# KiCad board Rogelio Pineda part 6-AMLDC-2044B.kicad_pcb (continued)
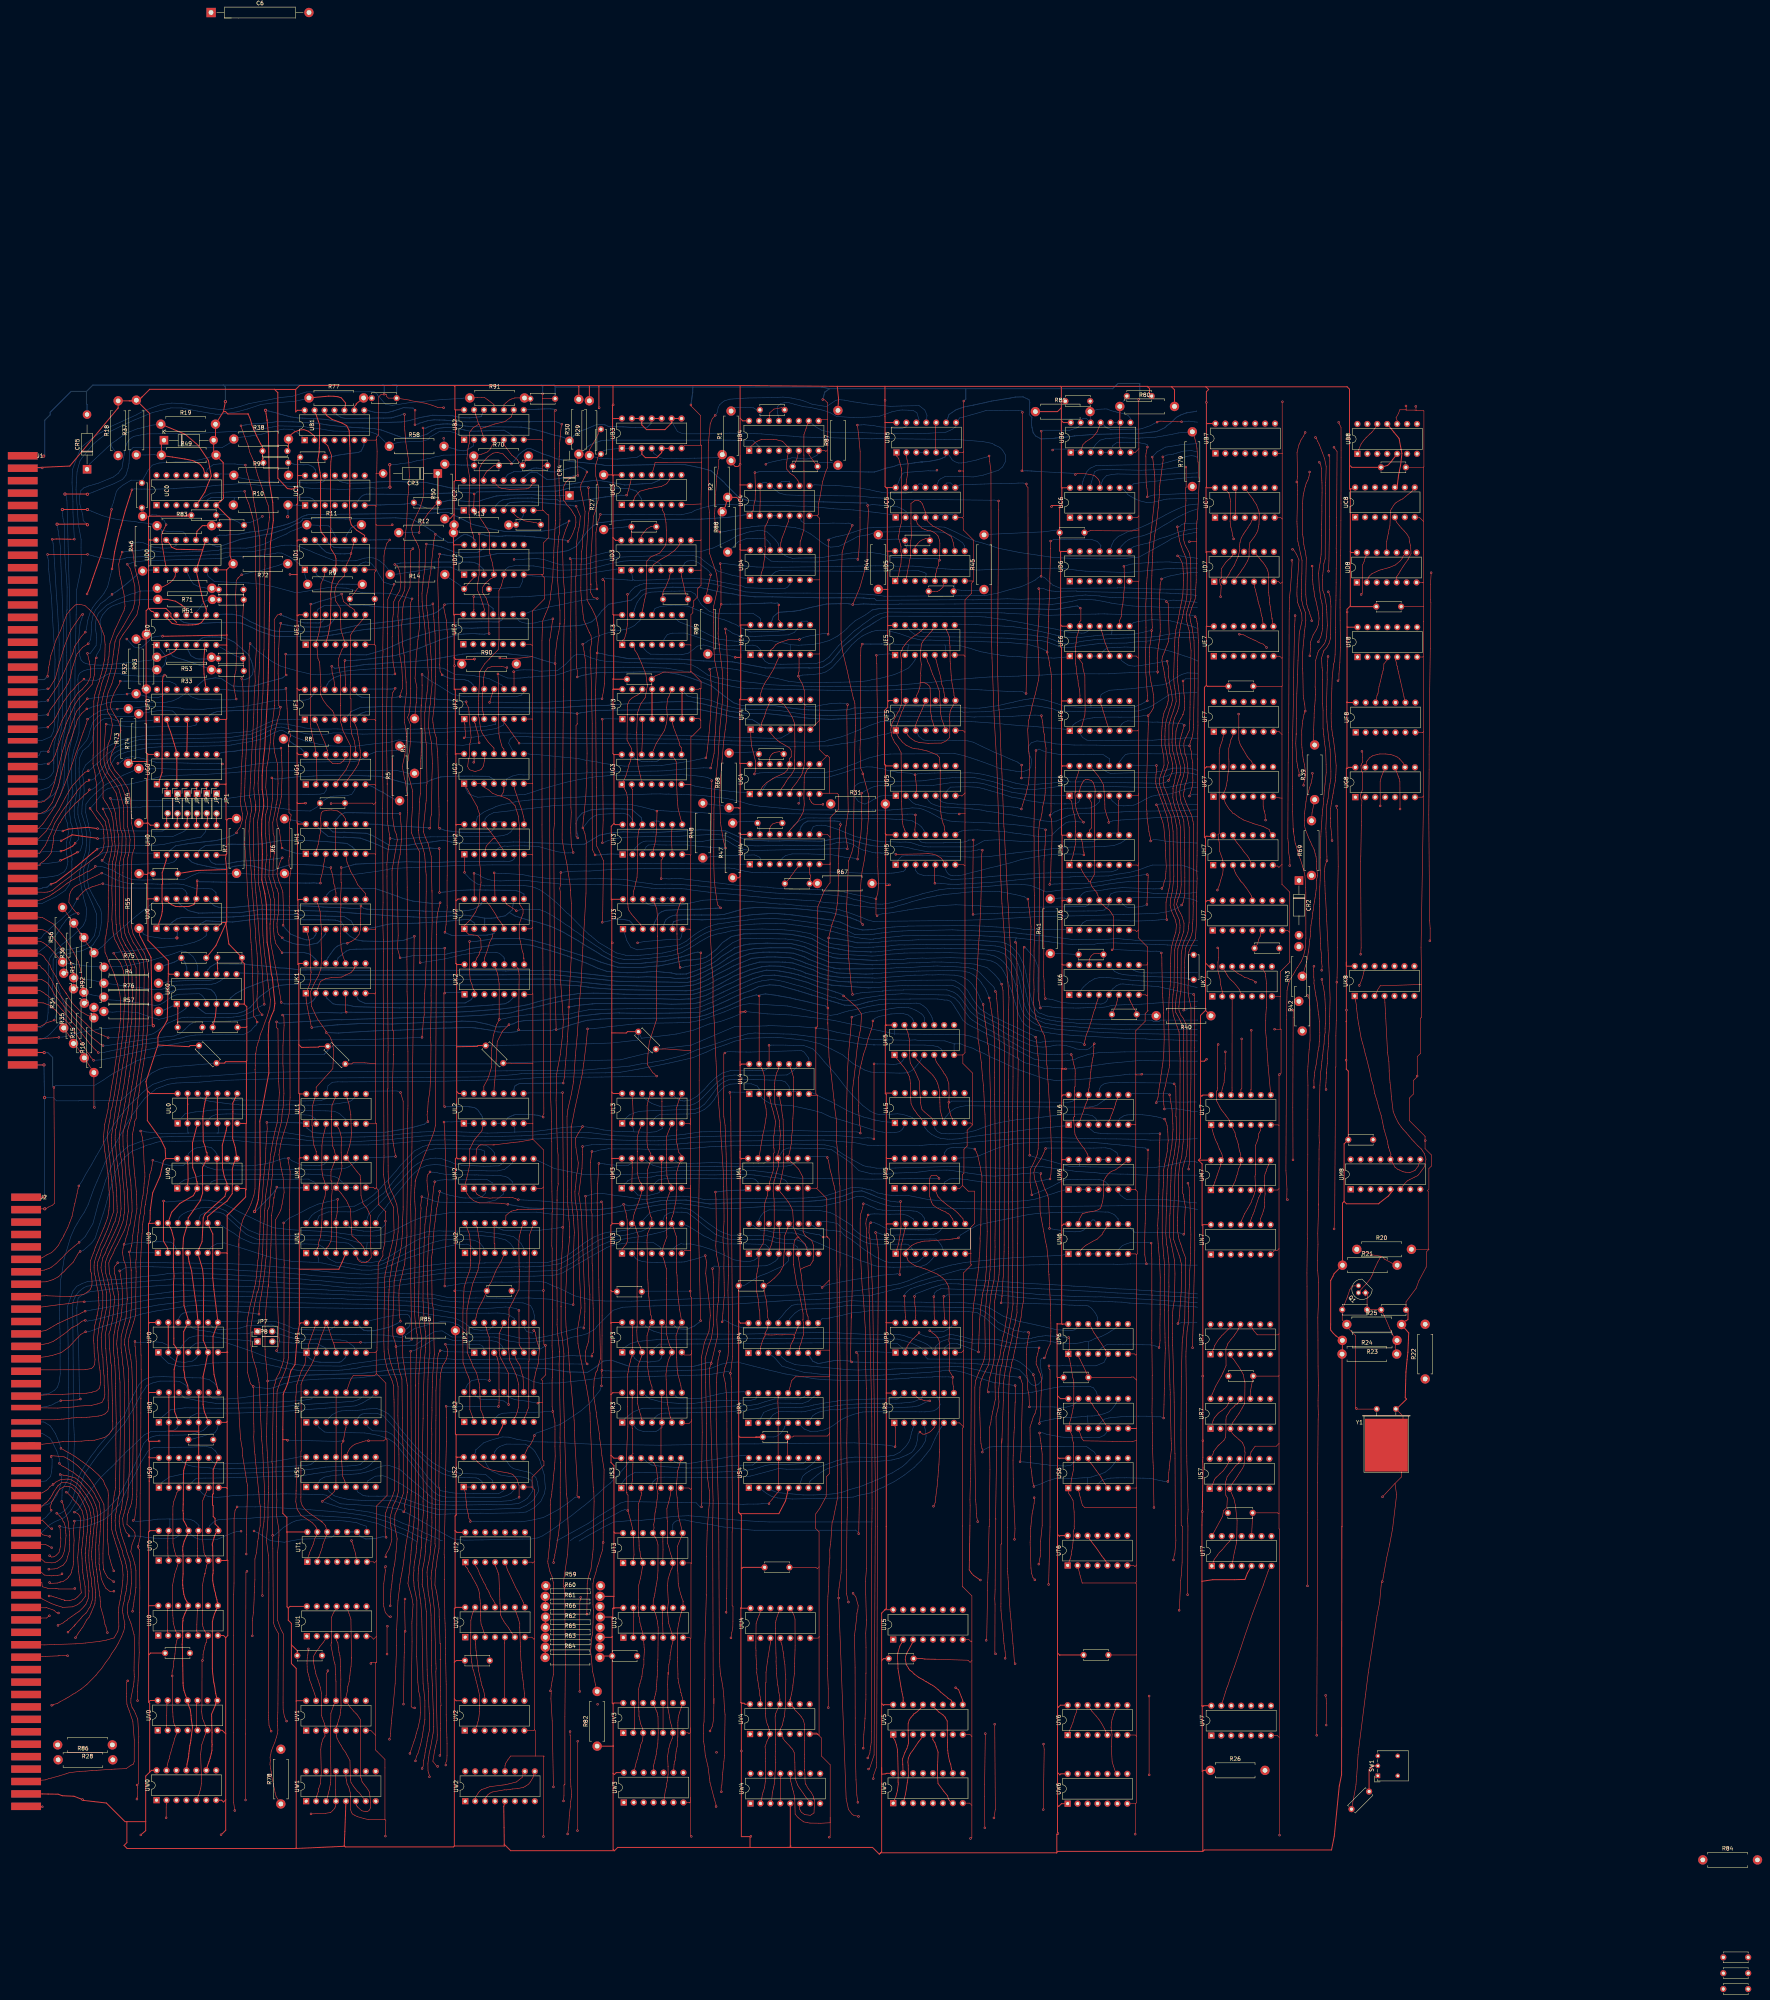
[diagram p0: board, top side]
## Routing (per net, layer and track width the routed paths; a pad name or vN(x,y) marks a point on that pad's centre or on a via; arc(x,y) is an arc through that point) (continued)
  Bottom w0.2: v1(215.36,374.74) 214.55,374.2 213.84,373.92 211.42,372.56 208.24,372.11 208.22,372.13 199.1,372.03 195.37,372.71 190.65,373.85 186.98,375.74 185.48,376.38 184.45,376.93 178.48,376.64 173.67,376.64 148.82,376.36 148.29,376.24 147.2,375.88 145.33,374.68 143.61,374 142.47,373.66 140.82,373.23 136.28,372.15 133.78,371.9 130.97,371.33 128.59,371.21 127.73,371.08 127.28,371.08 125.98,371.12 125.27,370.83 UD0.8 ; v1(213.84,231.17) 202.67,231.06 201.78,230.62 201.48,230.39 201.36,230.01 201.25,229.54 UL2.9 ; UP4.7 276.91,161.2 277.6,160.15 279,159.51 281.39,159.99 283.4,160.34 285.97,160.26 287.53,160.12 v1(287.53,159.94) 288.76,159.9 291.65,159.8 292.51,159.82 294.49,159.76 ; v1(215.28,250.56) 216.04,250.73 216.82,250.87 217.55,251.02 221.28,251.39 222.42,251.47 235.69,251.47 237.57,251.46 241.52,251.3 247.24,251.44 248.94,251.81 252.06,253.15 254.79,254.44 257.21,255.59 259.18,256.48 262.26,257.76 264.84,258.6 267.82,258.73 271.37,258.22 276.29,256.87 278.76,255.85 281.32,255.1 283.45,254.4 284.54,254.06 285.47,253.63 v1(285.47,253.41)
D0p9: length 210.3
  Top w0.15: v1(179.71,296.25) 179.86,296.41 179.86,298.47 180.19,299.83 180.3,308.5 180.21,308.59 180.28,308.66 180.44,312.69 180.31,315.2 180.16,318.07 179.42,322.05 179.64,326.85 179.89,327.96 180.02,329.77 180.34,332.87 180.17,336.44 180.21,336.91 180.14,339.12 179.89,342.64 179.52,347.3 179.12,351.34 178.97,352.65 178.97,355.65 179.1,356.57 179.32,357.64 179.59,359.72 179.79,360.71 180.07,362.37 180.12,363.21 180.59,367.63 180.69,368.99 180.88,370.15 v1(181.19,371.34)
  Top w0.25: UD0.13 113.23,369.01 113.83,368 114.98,367.5 121.73,367.35 ; 121.73,367.35 UD0.9 ; 121.73,367.35 121.28,365.95 120.53,363.6 120.39,362.63 UD0.5 121.88,354.15 122.43,352.9 122.58,352.35 122.64,352.29 122.64,350.67 122.03,349.6 121.43,348.8 120.68,348.4 119.93,348.25 119.18,348.2 118.03,348.15 115.88,348.2 113.93,348.55 112.48,350 112.48,350.67
  Bottom w0.2: UD0.9 123.11,369.18 123.83,368.73 124.33,368.54 125.49,368.14 126.22,368.28 129.13,369.26 131.42,370.06 136.57,371.06 139.14,371.45 142.82,372.7 144.39,373.39 145.53,374.02 145.94,374.17 146.52,374.31 147.14,374.9 147.34,375.31 151.28,375.44 151.84,375.43 156.65,375.3 157.61,375.31 158.29,375.25 170.97,375.53 173.42,375.35 174.7,375.33 176.31,374.62 178.27,373.52 179.26,372.93 179.89,372.46 180.71,371.99 v1(181.19,371.34) 182.35,370.54 184.33,369.3 185.55,369.26 186.35,369.81 187.78,370.91 188.63,371.33 189.45,371.16 190.35,370.74 191.4,369.87 UD2.13 ; v1(179.71,296.25) 178.93,296.4 175.02,296.63 174.08,296.71 173.44,296.71 171.63,296.66 169.12,296.96 167.31,297.15 166.34,297.27 164.16,297.31 163.61,297.61 UH1.8
D0p10: length 12.3
  Top w0.25: R83.2 122.19,373.52 122.14,373.57 121.63,373.5 120.28,372.1 UD0.10
  Bottom w0.2: 123.83,373.8 125.68,373.8 125.73,373.85 124.37,373.85 R83.2 125.82,373.52 C20.2
D0p12: length 357.5
  Top w0.15: v1(104.93,48.29) 104.93,48.64 105.09,48.83 105.08,51.09 105.15,51.17 v1(104.97,51.89) 105.28,52.21 105.28,62.74 105.41,64.28 105.14,68.73 104.57,70.1 104.19,70.95 103.9,71.43 103.67,71.77 103.38,72.87 103.4,73.99 104,77.05 104.18,78.23 104.25,79.53 104.23,80.08 104.19,81.16 104.31,89.18 104.2,90.29 103.4,93.24 103.05,94.07 102.74,94.88 102.45,96.06 102.59,98.03 102.65,98.44 102.97,99.36 103.28,100.92 103.53,103.44 103.45,106.3 103.43,107.03 103.27,108.04 103.18,108.95 102.88,109.87 102.42,111.19 102.26,111.79 102.07,112.58 101.7,113.6 100.94,115.88 100.82,116.4 100.67,117.14 100.42,118.75 100.39,119.28 100.45,120.5 100.93,122.22 101.05,122.81 101.22,124.39 101.45,125.89 101.56,127.77 101.83,152.09 101.5,158.32 101.34,159.19 101.03,162.43 ; 102.46,176.05 102.15,171.34 101.71,169.48 100.9,166.44 100.87,163.49 101.05,162.28 ; v1(103.69,368.83) 103.77,367.77 104.34,363.39 104.49,362.44 104.97,360.6 105.36,359.01 105.72,356.75 105.63,353.82 104.92,350.75 103.82,349.22 103.21,348.29 102.66,347.48 101.42,345.8 101.3,345.6 100.6,344.44 100.27,341.69 99.9,339.46 99.61,337 99.37,336.16 98.54,333.19 97.58,330.96 97.1,328.49 97.44,326 98.32,324.52 98.65,322.57 98.16,319.06 97.57,317.7 97.4,316.41 97.28,315.6 97.28,313.52 97.85,311.63 99.28,309.43 99.89,308.76 100.91,307.29 101.87,304.87 102.46,301.71 102.5,300.51 102.56,296.65 103.19,293.36 102.94,290.18 102.73,289.28 ; 102.46,175.79 102.33,179.7 102.11,184.48 101.58,185.89 101.24,187.8 101.38,188.91 v1(101.64,189.97) 101.78,190.11 102.07,191.42 102.41,192.4 102.96,194.8 103.18,195.16 103.65,198.12 103.7,198.48 103.66,200.65 103.65,201.17 103.45,203.87 103.42,204.89 103.33,206.4 103.26,206.58 102.94,208.99 102.87,209.99 102.7,212.43 102.69,212.99 102.49,215.27 102.42,216.37 102.44,217.78 102.5,218.84 103.06,220.95 103.53,222.26 103.92,226.23 104,226.74 104.69,230.16 104.86,231.09 105.11,232.83 105.83,236.92 106.22,240 106.37,241.23 106.55,244.74 106.62,245.94 106.79,258.93 106.83,259.43 106.57,262.42 104.85,265.86 103.98,267.09 102.8,269.74 102.61,271.01 102.53,271.87 102.51,287.09 102.49,287.19 102.6,288.68 102.76,289.43
  Bottom w0.15: UD0.12 114.94,368.43 113.75,367.86 112.48,367.79 110.97,367.82 109.03,368.07 107.67,368.7 106.68,369.12 105.85,369.28 105.2,369.32 104.37,369.23 104.01,368.83 v1(103.69,368.83) ; UN0.3 114.75,189.34 114.32,190.07 113.65,190.53 112.66,190.57 111.01,190.65 110.03,190.62 108.06,190.54 104.37,190.44 103.44,190.2 102.66,190.07 v1(101.64,189.97)
D1p2: length 18.6
  Top w0.15: R9.2 162.36,358.53 161.19,357.36 160.58,356.5 C43.1
  Bottom w0.2: UD1.2 150.81,360.98 152.67,359.66 154.64,358.93 156.11,358.6 157.42,358.59 R9.2
D1p3: length 40.1
  Top w0.15: UF1.4 155.23,325.67 154.9,326.23 154.84,326.33 154.44,326.69 153.52,327.61 152.53,328.96 151.78,330.54 151.84,332.35 151.94,332.45 151.61,338.66 151.18,339.55 150.89,342.84 UE1.2 151.38,345.84 151.91,348.6 151.88,353.01 151.84,356 151.94,358.66 152.92,360.99 UD1.3
D1p10: length 6.3
  Bottom w0.2: R11.2 160.59,373.48 159.6,372.92 159.22,372.27 158.51,371.2 UD1.10
D1p13: length 76.8
  Top w0.15: 155.71,307.73 158.32,311.12 159.34,313.24 159.57,317.21 158.35,319.59 157.96,320.42 157.58,321.16 157.19,322.7 156.92,323.48 156.92,327.58 156.91,327.58 156.92,328 156.92,334.83 157,334.91 156.49,337.76 156.49,339.68 157.29,341.8 UE1.5 157.55,345.33 157.06,346.86 156.87,352.47 155.69,354.33 155.46,356.35 155.72,357.89 156.55,359.33 158,360.78 UD1.5 158.6,363.82 159.41,365.49 v1(159.62,366.42) UD1.9
  Bottom w0.2: v1(159.62,366.42) 158.68,366.37 158.07,366.33 156.9,366.33 154.79,366.4 154.39,366.43 153.37,366.7 152.88,367.12 152.14,367.77 151.4,368.63 UD1.13
D2p2: length 10.8
  Top w0.15: C44.1 190.07,359.3 191.07,360.3 UD2.2
  Bottom w0.15: C44.1 187.15,358.54 186.6,358.91 185.66,359.55 184.9,360.01 R14.2
D2p5: length 92.6
  Top w0.15: 195.03,339.57 193.79,338.25 192.53,336.28 192.22,328.8 192.19,328.06 192.19,324.93 192.35,324.49 192.74,321.57 193.16,320.47 194.69,318.26 196.15,316.71 UG2.11 ; 195.03,339.57 197.23,341.85 197.44,344.43 197.44,350.13 197.39,350.76 197.41,356.92 198.18,358.43 ; 195.03,339.57 195,339.43 ; 198.07,358.4 198.52,359.98 UD2.5
  Bottom w0.15: UD3.5 238.84,363.55 238.47,363.91 237.01,364.54 235.33,364.61 232.26,364.59 231.25,364.61 229.11,364.46 225.44,363.71 221.3,362.66 218.54,362.39 217.92,362.31 215.39,362.2 212.58,362.15 206.29,363.24 202.57,363.32 201.33,363.29 199.8,362.96 199.02,362.28 UD2.5
D2p12: length 608.2
  Top w0.15: 256.65,89.45 v1(256.7,89.47) 256.91,90.8 257.17,92.01 257.21,93.67 257.22,97.51 257,97.72 257,116.5 257.12,117.61 256.84,150.55 256.85,153.57 256.74,155.74 v1(256.6,157.02) 257.13,161.43 256.67,221.62 256.59,227.41 v1(256.41,228.79) ; v1(179.27,221.32) 179.06,223.06 179.2,223.91 ; v1(134.4,90) 134.5,93.81 134.49,94.43 134.72,96.07 134.87,99.37 134.91,100.98 134.97,102.63 135.07,104.36 135.07,109.63 135.49,111.26 135.75,113.97 135.92,114.91 136.09,116.33 136.42,118.08 136.45,123.1 136.21,124.39 136.07,126.62 136.03,126.97 135.41,132.89 135.17,135.06 135.1,136.34 134.96,136.99 134.77,140.78 134.84,142.16 134.79,144.19 v1(134.65,153.67) 133.94,154.38 133.71,155.29 133.17,157.37 133.04,169.32 133.17,170.89 133.91,174.66 134.26,175.83 135.21,179.98 135.43,181.5 135.83,185.85 136.01,187.02 136.28,191.92 136.36,193.27 136.41,195.42 136.45,196.99 136.63,199.85 136.88,201.01 137.32,206.97 137.43,208.16 137.65,210.31 137.78,211.17 137.87,214.54 137.98,216.29 138.16,218.82 138.23,219.44 v1(138.13,221.13) ; v1(178.86,368.84) 178.72,367.51 178.53,363.27 178.47,362.39 178.09,359.91 177.98,358.44 177.76,356.15 177.8,354.05 178.07,351.01 178.4,348.57 178.43,348.23 178.62,346.04 178.78,343.23 179.02,340.64 179.37,336.01 179.33,334.91 179.25,332.55 179.04,330.81 178.72,328.08 178.55,325.98 178.47,325.91 178.47,321.88 178.49,321.31 178.7,318.83 178.88,317.59 179.04,307.73 178.94,307.16 178.84,303.28 178.74,302.47 178.21,297.15 178.08,295.44 178.57,294.04 179.35,292.27 180.12,289.08 180.3,280.12 ; 180.32,280.44 180.32,279.85 180.36,272.6 180.26,267.94 180.08,253.63 180.11,251.94 179.94,242.84 180.06,240.95 179.98,232.86 179.77,229.16 179.35,226.45 179.18,223.83
  Bottom w0.15: v1(256.41,228.79) 257.05,228.87 257.52,228.85 260.94,228.85 261.03,228.94 261.37,228.6 UL4.1 ; 255.58,157.48 254.61,157.32 253.24,157.1 251.9,156.83 249.3,156.61 247.87,156.58 237.28,156.28 234.82,156.21 224.18,155.97 220.46,155.44 212.79,154.58 211.96,154.58 210.3,154.55 208.14,154.46 206.12,154.96 203.7,156.11 201.38,156.92 199.07,157.08 195.45,157.21 188.34,157.31 182.44,157.26 179.6,157.22 175.05,156.95 173.39,156.89 172.18,156.78 165.18,156.36 162.05,155.91 156.74,155.7 151.37,155.55 146.65,155.23 145.55,155.02 142.46,154.36 140.08,153.44 138.7,153.14 135.38,153.47 v1(134.65,153.67) ; 255.49,157.48 256.05,157.53 v1(256.6,157.02)
  Bottom w0.2: v1(179.27,221.32) 178.37,220.66 175.24,219.82 172.41,219.29 168.45,218.62 154.09,218.38 151.89,218.36 149.78,218.56 148.39,219.67 UL1.1 146.97,221 146.23,221.02 140.13,221.15 139.1,221.13 v1(138.13,221.13) ; UD2.12 193.5,367.62 192.96,367.26 192.28,366.85 191.71,366.67 190.76,366.69 189.5,366.63 188.24,366.69 186.29,366.7 182.78,368.08 181.6,368.38 180.1,368.76 179.39,368.76 v1(178.86,368.84)
D3p6: length 7.9
  Top w0.15: UD3.6 240.89,359.97 239.96,357.62 239.61,357.2 239.14,355.88 C27.1
D3p7: length 24.5
  Top w0.15: v1(251.51,361) 251.39,360.34 251.24,359.66 250.47,356.06 R89.2 ; C27.2 245.01,356.41 244.68,358.09 244.31,359.6 244.12,360.44 UD3.7
  Bottom w0.15: v1(251.51,361) 251.33,361.64 ; 251.33,361.64 251.33,361.58 ; 251.33,361.64 250.87,362.1 250.36,362.54 250.03,362.72 249.53,363.17 248.43,364.02 247.74,364.43 247.19,364.57 246.69,364.62 245.58,364.49 244.96,364.05 244.56,363.36 UD3.7
D3p10: length 11.2
  Top w0.15: UD3.10 243.42,368.47 242.38,367.26 240.63,365.98 238.65,364.84 236.88,363.58 UD3.4
D3p14: length 6.1
  Top w0.15: C25.2 236.28,373.34 235.12,372.65 ; UD3.14 233.76,370.94 235.2,372.7
D3p15: length 10.6
  Top w0.15: UD3.15 231.22,370.77 231.27,371.15 C25.1
  Bottom w0.15: R27.1 226.84,372.92 228.79,373.1 230.04,373.25 C25.1
D4p1: length 62.5
  Bottom w0.15: v1(201.29,364.91) 203.49,364.91 203.76,364.95 204.03,364.99 207.05,365.14 208.92,364.89 211.07,364.16 213.41,363.5 219.37,363.55 222.27,364.43 226,365.1 227.69,365.48 237.62,365.84 239.06,365.81 245.37,365.85 246.95,365.92 248.79,365.42 249.91,364.47 251.48,363.28 253.5,361.89 257.09,360.84 258.33,360.63 259.3,360.31 259.7,360.18 261.23,360.06 UD4.1
D4p3: length 43.3
  Bottom w0.15: 292.32,361.92 290.07,361.85 269.03,362.03 268.01,361.7 267.01,360.85 UD4.3 ; 292.32,361.92 304.65,362.02 306.03,361.58 306.54,361.33 306.57,361.02 306.28,359.4 ; 292.32,361.92 292.38,361.93
D4p12: length 14.3
  Bottom w0.15: UD4.12 266.71,368.91 266.11,369.64 265.51,370.15 264.2,370.28 263.38,370.3 262.29,370.3 260.57,370.22 258.71,369.52 257.82,368.82 257.49,368.36 R88.1
D4p13: length 74.4
  Top w0.15: v1(289.01,399.23) 289.31,396.84 289.72,392.4 289.68,375.54 289.68,372.13 289.39,366.88 v1(289.12,364.9)
  Bottom w0.15: UB5.13 301.54,398.86 300.89,398.55 300.45,398.4 299.89,398.32 298.41,398.41 296.17,398.65 294.61,398.78 293.12,399.1 292.44,399.14 290.7,399.31 289.96,399.26 289.28,399.23 v1(289.01,399.23) ; UD4.13 264.85,366.59 265.2,366.15 265.6,365.48 266.95,364.49 268.59,364.32 272.41,364.3 278.75,364.25 286.78,365.07 287.54,365.08 288.47,365.13 288.48,365.1 288.82,365.07 289,364.9 v1(289.12,364.9)
D5p6: length 5.8
  Top w0.15: UD5.6 311,359.05 310.88,357.85 310.05,357.07 310.05,357.04 309.54,356.78 309.35,356.76 308.66,356.76 308.65,356.75 C24.2
D5p7: length 10.5
  Bottom w0.15: UD5.7 313.9,357.07 C24.1 314.52,357.17 315.68,357.01 316.61,357.03 317.52,356.95 321.18,356.95
D5p14: length 5.8
  Top w0.15: C40.1 306.53,370.26 305.4,369.82 304.85,369.43 304.42,368.95 304.04,368.5 303.74,368.19 UD5.14
D5p15: length 10.5
  Bottom w0.15: 293.73,370.32 295.27,369.99 299.12,370.1 C40.2 301.8,368.76 UD5.15
D6p8: length 18.7
  Bottom w0.15: UD6.8 359.1,367.82 359.63,368.18 360.64,368.46 361.83,368.77 363.31,369.1 364.6,369.5 366.23,370.22 368.01,370.72 370.11,371.5 371.51,372.05 373.09,372.38 373.88,372.57 375.66,372.79 375.92,372.8
D6p9: length 23.3
  Bottom w0.15: 372.11,376.32 372.09,376.3 ; 372.09,376.3 371.06,375.8 370.22,375.36 369.13,374.68 368.06,374.01 367.39,373.66 365.25,372.34 363.61,371.55 361.99,370.95 359.65,370.46 358.45,370.02 357.48,369.35 356.64,368.5 355.98,367.74 UD6.9 ; 372.09,376.3 372.77,376.61 373.8,377.1 374.67,377.41 375.34,377.6 375.74,377.72
D6p10: length 26.6
  Bottom w0.15: 360.57,372.76 360.53,372.72 ; 375.92,379.03 375.13,378.99 374.64,378.89 373.64,378.82 372.44,378.46 370.67,377.73 368.95,376.91 367.84,376.34 366.13,375.41 364.75,374.68 363.45,374 361.46,373.12 360.39,372.72 358.1,371.99 356.58,371.19 355.68,370.79 354.55,369.71 354.02,368.62 UD6.10
D7p5: length 11.7
  Top w0.15: UD7.5 390.51,357.8 390.67,357.2 390.96,356.02 391.3,354.77 391.38,354.2 391.69,353.09 391.9,352.46 392.02,351.9 392.27,350.53 392.45,350.03 392.53,349.66 392.61,348.91 UE7.9
D7p10: length 20.7
  Top w0.15: UE7.8 395.04,349.05 394.93,349.97 ; UD7.10 390.34,366.56 391.03,366.04 391.81,365.15 392.09,364.75 392.35,364.46 392.75,364 393.26,363.24 393.65,362.56 393.86,361.99 394.11,361.07 394.09,356.49 394.15,355.7 394.28,354.98 394.31,353.97 394.41,353.3 394.5,352.82 394.64,351.84 394.8,350.77 394.97,349.68
D7p12: length 13.1
  Top w0.15: UD7.12 384.9,366.49 384.76,365.82 384.21,365.14 383.86,364.91 383.56,364.6 383.13,364.17 382.08,362.62 381.94,361.6 381.98,360.17 381.51,359.86 381.73,358.41 381.95,358.25 381.93,357.61 v1(381.81,355.39) 381.93,355.34
D8p9: length 13.4
  Top w0.15: UD8.2 419.5,360.13 419.76,360.63 420.46,361.25 422.24,362.1 423.13,362.37 424.84,362.82 426.45,363.49 427.77,364.6 428.23,365.25 428.45,365.77 UD8.9
DATA RDR: length 332
  Top w0.15: v1(85.45,150.05) 89.7,150.25 v1(90.48,150.47) ; v1(216.39,174.59) 216.46,174.65 216.46,183.97 216.47,187.09 216.63,192.2 216.7,192.88 216.49,196.05 216.52,196.55 216.2,198.66 216.01,201.17 215.89,203.21 216.06,208.55 215.94,211.79 215.88,220.16 ; v1(220.07,245.02) 219.79,242 219.7,241.12 219.09,236.21 218.7,233.4 217.46,227.58 216.75,224.32 215.88,219.79
  Bottom w0.15: 89.58,173.68 89.55,173.7 89.92,176.28 90.83,176.97 90.83,176.98 92.95,177.87 98.12,178.55 103.82,178.91 109.96,179.38 114.29,179.63 134.94,179.2 136.67,179.22 137.53,179.14 144.3,178.74 146.21,178.64 153.28,178.35 153.87,178.29 158.91,178.06 160.09,178.02 160.81,177.92 170.98,177.6 172.81,177.38 180.13,177.28 184.14,176.45 189.95,176.24 191.45,176.28 196.83,176.26 199.04,176.2 204.97,176.29 210.55,175.96 212.42,175.51 213.51,175.15 214.85,174.85 216.02,174.59 v1(216.39,174.59) ; 89.58,173.68 89.6,170.7 90.01,165.27 90.26,151.18 90.38,150.94 v1(90.48,150.47) ; 89.58,173.68 89.58,173.74 ; v1(220.07,245.02) 221.75,245.12 223.78,245.32 225.66,245.62 227.34,245.75 230.47,246.11 232.66,246.32 234.66,246.36 235.88,246.45 242.95,246.56 244.49,246.68 246.14,246.68 248.22,247.06 249.74,247.45 252.61,248.52 255,249.35 257.8,250.55 259.66,251.17 261.37,251.45 263.6,251.33 264.77,251.24 271.1,250.86 275.08,250.03 276.88,249.62 278.38,249.21 279.65,248.92 282.11,248.46 283.84,248.71 285.49,249.27 286.78,249.61 288.62,249.96 291.36,250.63 293.14,250.98 294.32,251.17 296.86,251.44 297.9,251.43 300.96,251.51 302.58,251.54 304.14,251.57 305.09,251.38 305.77,250.96 306.68,250.24 307.39,249.15 307.84,248.4 308.1,247.81 UK5.10 ; v1(85.45,150.05) 84.73,149.73 84,149.43 83.32,149.01 82.59,148.76 81.79,148.57 80.51,148.38 J2.36
DATIA: length 58.1
  Top w0.15: v1(82.18,325.25) 82.77,326.53 84.05,328.24 84.62,329.18 85.71,330.64 87.31,333.2 87.94,334.8 88.35,336.88 88.67,337.9 89.5,340.42 89.65,340.79 90.17,341.37 91.03,342.45 v1(92.5,343.39)
  Bottom w0.15: v1(82.18,325.25) J1.44 ; 97.8,355.32 96.9,354.51 96.56,354.27 95.6,353.59 95.16,352.96 94.91,352.62 94.37,352.05 93.74,350.68 93.36,348.76 93.32,346.97 93.11,344.47 v1(92.5,343.39)
  Bottom w0.2: 108.04,362.18 UD0.1 ; 108.04,362.18 106.6,362.18 R46.1 ; 108.04,362.18 107.38,362.15 106.25,362.4 104.83,360.82 100.82,357.5 100.36,357.17 99.81,356.77 v1(98.56,355.99) 98.56,355.83 97.8,355.32
DATIB: length 166.6
  Top w0.15: UB2.4 196.15,394.42 195.72,394.15 195.18,393.04 194.52,392.38 193.87,392.11 193.01,391.8 R70.1 ; v1(91.74,346.33) 90.69,345.15 90.08,344.2 89,342.69 88.51,340.85 87.31,338.42 86.48,336.48 85.62,334.64 84.55,332.49 82.19,328.94 v1(82.19,328.92)
  Top w0.25: 169.58,383.4 v2(169.58,383.35) v2(169.53,389.1) 169.58,389.05 ; v1(103.64,382.7) 103.12,381.04 101.94,377.36 100.92,373.59 100.57,372.53 100.31,371.41 99.85,369.56 99.24,366.9 v1(98.57,362.48)
  Bottom w0.15: v2(169.58,383.35) 169.18,383.35 168.89,383.15 167.6,383.15 166.27,383.1 165.06,383.22 156.29,382.72 156.17,382.84 149.76,383.04 141.14,383.85 138.86,383.85 136.59,383.82 134.32,384.06 133.09,384.18 130.96,384.22 127.18,383.96 125,383.82 123.45,383.61 119.49,383.34 117.84,383.24 115.08,383.08 114.43,382.94 114.21,382.96 109.98,382.87 108.31,382.83 106.9,382.88 106.11,382.87 104.25,382.92 v1(103.64,382.7) ; v1(82.19,328.92) 81.45,328.59 80.41,328.57 J1.42 ; v1(91.74,346.33) 92.01,347.08 92.38,349.41 92.99,351.38 93.61,352.59 94.6,353.96 95.69,355.16 96.5,356.22 97.44,357.92 98.25,361.16 v1(98.57,362.48) ; R70.1 189.33,391.68 185.13,391.57 183.24,391.54 182.72,391.4 181.15,391.11 179.94,390.75 179.13,390.62 177.93,390.31 177.9,390.34 176.33,390.08 174.64,389.62 172.31,389.36 171.23,389.15 170.92,389.1 v2(169.53,389.1)
DATIC: length 211.4
  Top w0.15: R91.1 191.99,406.29 192.96,406.29 193.73,406.26 194.61,405.63 196.15,404.46 UB2.11
  Top w0.2: 83.24,369.98 v1(83.3,370.04) 84.31,370.13 ; 88.97,370.06 88.96,370.06 v1(88.94,370.08) 88.93,370.06 87.98,370.06
  Top w0.25: 84.31,370.13 87.98,370.06
  Bottom w0.15: v1(83.3,370.04) 83.51,369.03 83.66,367.49 83.88,363.97 84.37,355.67 84.65,352.09 84.85,348.08 85.09,343.26 85.05,341.75 85,334.24 85.02,328.53 84.97,325.99 84.81,323.89 84.5,320.78 83.74,317.5 83.69,312.81 ; v1(88.94,370.08) 88.59,376.82 88.58,379.78 88.35,384.47 88.44,387.81 90.31,392.74 90.85,393.67 93.33,395.71 94.89,396.84 96.04,397.48 97.84,398.68 104.72,401.8 105.91,402.46 108.5,403.55 110.96,404.45 113.83,404.84 116.34,404.73 117.61,404.56 122.06,403.83 122.83,403.63 126.4,403.17 126.93,403.21 127.62,403.23 129.08,403.4 131.47,404.03 133.55,404.69 141.64,406.27 144.59,406.55 148.23,407.68 155.73,407.68 165.52,407.72 166.33,407.11 166.47,406.83 168.43,404.55 170.14,404.25 175.06,405.02 178.12,405.27 182.91,405.76 184.91,405.85 187.94,406.02 188.36,406.12 R91.1 ; J1.54 80.09,308.82 80.13,308.78 81.31,308.74 82.31,309.16 82.95,309.66 83.68,310.78 83.69,312.81 ; 83.69,312.81 83.69,313.74
DATOA: length 120.5
  Top w0.25: 92.38,377.6 92.33,377.65 v2(92.28,377.65) v2(85.88,377.65) 86.03,377.65
  Bottom w0.15: 108.42,373.96 107.8,374.12 105.36,374.39 104.37,374.58 101.62,374.83 99.05,375.27 96.13,376.08 94.51,376.73 93.29,377.23 v2(92.28,377.65) ; 108.42,373.96 109.63,373.96 R83.1 111.18,372.41 111.25,372.41 ; 108.42,373.96 109.26,373.74 110.08,373.74 110.08,373.65 ; 111.25,372.41 110.58,372.82 110.08,373.65 ; 111.25,372.41 111.35,372.35 112.81,372.04 114.05,372.1 115.85,372.09 116.85,371.91 117.33,371.31 117.72,370.11 UD0.11 ; v2(85.88,377.65) 85.88,376.67 85.99,375.85 86.04,375.35 86.42,373.7 86.5,366.74 86.51,366.01 86.67,363.63 87.1,357.82 87.07,352.07 87.13,352 87,351.86 87,341.23 86.99,340.43 87.02,339.2 86.88,327.43 86.92,326.77 86.93,325.86 86.72,322.31 86.38,320.7 85.83,318.04 85.7,316.32 85.44,310.32 84.88,306.72 83.72,304.88 81.76,303.52 80.81,303.26 80.07,303.1 J1.58 ; 110.08,373.65 110.17,373.65 110.28,373.54
DATOB: length 201.3
  Top w0.25: v2(92.28,373.75) 92.08,373.95 v2(84.53,373.9) 84.48,373.95
  Bottom w0.15: UB2.1 187.72,396.6 186.85,396.85 186.14,397.26 185.05,397.54 183.89,397.59 182.21,397.56 179.74,396.12 179.32,395.5 177.85,395.11 172.21,394.87 170.4,394.49 R58.1 166.97,396.29 166.01,396.99 164.32,397.53 155.02,397.7 151.06,398.36 148.49,398.66 147.69,398.83 146.27,398.91 141.21,399 139.62,398.74 136.61,398.19 134.86,397.78 131.17,397.28 130.04,397.62 120.59,397.11 107.54,396.96 105.79,396.68 105.23,396.58 104.09,396.32 103.21,395.77 102.68,395.11 102.28,394.43 101.84,392.81 101.55,390.95 101.1,388.18 100.62,387.6 100.25,386.97 98.87,385.95 95.07,384.38 92.6,383.67 91.35,383.17 90.61,382.5 90.3,381.12 90.33,379.04 91.09,376.31 91.21,374.83 v2(92.28,373.75) ; v2(84.53,373.9) 84.7,373.11 84.74,372.5 84.84,372.14 84.98,371.09 85.42,367.79 85.49,364.23 86.15,347.19 85.91,333.68 85.93,325.17 85.77,322.79 85.55,321.38 84.93,318.92 84.77,317.94 84.57,310.82 84.43,309.97 84.26,309.59 83.95,308.67 83.6,307.93 82.42,306.67 80.42,306.01 J1.56
DATOC: length 165.7
  Top w0: 81.24,366.15 81.25,366.17 v1(82.12,366.17) ; 92.28,366.17 v1(92.32,366.21)
  Top w0.2: v1(82.12,366.17) 92.28,366.17
  Bottom w0.15: UD2.1 187.03,362.07 185.03,362.96 182.35,362.95 177.87,362.18 176.74,361.96 175.27,361.77 174.05,361.58 171.41,361.17 R14.1 169.21,362.19 168.95,362.61 168.18,363.56 167.27,364.28 166.84,364.61 166.22,364.96 165.41,365.28 164.35,365.39 162.97,365.21 160.83,364.56 158.56,364.54 157.49,364.5 155.24,364.64 153.09,365.48 150.16,366.63 149.12,367.13 147.7,367.65 146.26,368.29 144.43,368.56 142.71,368.55 140.63,368.23 139.93,367.99 137.97,367.56 134.37,366.86 129.33,366.85 126.92,366.53 125.51,366.1 123.53,366.08 120.03,365.91 117.47,365.84 106.48,365.62 102.95,365.45 102.36,365.4 101.83,365.13 100.61,364.92 98.36,364.93 97.45,365.09 94.95,365.48 93.74,365.8 v1(92.32,366.21) ; v1(82.12,366.17) 82.12,366.04 82.14,365.48 82.31,364.56 82.36,362.46 83.11,355.05 83.37,350.01 84.01,339.35 83.82,328.94 83.94,327.05 83.88,325.32 ; 83.89,325.52 83.84,322.63 83.61,321.04 82.99,319.66 80.6,318.62 J1.48
DCHI: length 295.3
  Top w0.15: v1(102.46,363.68) 103.17,362.62 103.57,361.39 104.39,358.14 104.41,356.87 104.45,356.35 104.42,356.05 104.39,354.06 103.93,352.26 101.37,347.74 99.86,345.32 99.33,343.85 98.88,340.57 98.57,337.96 98.5,337.58 98.37,337.03 97.76,334.93 97.44,333.85 97,332.51 96.45,330.75 95.65,327.22 95.53,314.8 95.57,312.68 96.66,310.09 96.86,309.86 97.07,309.45 99.62,305.24 100.16,303.05 100.36,301.89 100.68,296.24 101.17,294.82 101.06,290.04 100.43,287.17 100.43,283.87 100.37,283.8 100.54,273.62 100.57,271.87 101.05,268.36 102.04,266.35 101.96,266.46 103.22,264.58 104.58,260.86 104.72,260.61 104.72,258.11 ; 104.72,258.19 104.75,255.44 104.74,255.07 104.59,248.65 104.45,244.69 104.17,241.71 104.01,240.22 103.73,237.82 103.62,237.32 103.27,234.92 102.96,232.88 102.98,232.97 102.79,231.71 102.52,229.91 101.97,226.5 101.76,225.5 101.45,223.61 101.16,222.51 100.95,221.52 100.49,218.08 100.37,216.13 100.43,215.41 100.7,212.89 100.96,211.58 101.18,209.06 101.3,206.83 101.65,203.38 101.79,200.25 101.79,198.19 101.6,197.5 101.53,196.38 100.77,194.28 100.04,192.45 99.48,191.24 98.53,189.32 97.48,187.1 96.91,185.47 96.82,184.36 96.98,182.57 97.62,180.15 97.74,179.41 97.82,178.82 97.99,177.98 98.16,176.87 98.11,173.92 97.94,172.53 97.34,169.45 96.82,166.84 96.95,163.4 96.98,163.38 97.11,161.12 97.18,160.66 97.38,158.16 97.36,157.46 97.44,156.78 97.61,152.81 97.58,150.17 97.68,148.36 97.5,147.37 96.75,146.66 95.9,146.3 95.1,146.12 92.86,145.86 92.12,145.82 90.79,145.7 90.13,145.71 89.53,145.72 89.02,145.67 88.23,145.64 87.7,145.54 86.3,145.37 86.26,145.34 85.68,145.34 84.58,145.22 83.99,145.18 77.18,145.18 J2.37
  Bottom w0.15: v1(102.46,363.68) 103.53,364.01 104.44,364.27 107.12,364.57 107.64,364.64 111.43,364.7 118.73,364.94 124.97,365.1 126.45,365.12 127.11,365.25 128.88,365.68 129.62,365.71 134.87,365.74 136.75,365.92 140.26,366.47 140.74,366.57 141.94,366.53 144.04,365.53 145.14,364.73 145.98,364.05 146.83,363.55 UD1.1 147.84,361 148.12,360.03 R9.1
DCHO: length 296.5
  Top w0.15: 102.16,241.94 102.44,244.6 102.54,245.59 102.66,246.67 102.78,248.31 102.8,248.74 102.8,254.14 102.78,254.71 102.74,255.76 102.75,259.62 102.49,260.89 101.17,264.18 100.77,265.08 100.4,265.67 100,266.54 99.24,267.94 98.9,269.31 98.86,269.5 98.53,273.02 98.64,276.63 98.53,280.79 98.53,281.38 98.56,281.96 98.65,287.25 98.72,287.68 99.07,288.93 99.22,289.3 99.37,290.88 99.37,291.66 99.24,292.93 ; 99.24,292.83 99.08,295.63 98.98,296.31 98.8,298.35 98.57,299.26 98.39,300.16 97.36,302.24 96.86,302.96 96.26,304.03 96.29,307.96 96.07,308.58 95.5,310.26 95.14,311.59 94.78,312.63 94.8,327.46 94.95,328.26 95.22,330.35 95.53,331.48 95.91,333.2 97.02,336.28 97.43,337.94 97.56,338.6 97.56,339.42 97.78,340 97.85,341.32 98.04,343.46 99.33,347.01 99.73,347.79 100.59,349.65 100.89,350.34 101.65,351.92 101.71,352.39 101.89,352.95 101.79,354.23 101.71,354.64 101.65,355.82 101.25,357.71 100.76,360.11 100.62,360.56 100.4,361.86 100.28,363.71 100.66,365.39 100.83,365.82 101.18,366.77 v1(101.16,366.79) 101.18,366.81 101.18,366.85 ; J2.33 81.82,151.55 85.97,151.68 89.74,151.86 92.01,151.95 93.35,152.18 93.65,152.28 94.64,152.56 95.38,153.26 95.69,154.8 95.51,157.77 95.32,158.6 94.89,163.53 94.8,165.52 95.27,169.05 95.69,171.03 96,172.93 96.21,174.13 96.22,177.29 95.06,182.43 94.78,184.52 94.96,185.6 95.55,187.08 95.94,188.5 96.63,189.68 97.15,190.83 97.8,192.3 98.44,193.71 98.7,194.49 98.99,195.18 99.35,195.89 99.9,198.21 99.86,199.16 99.87,199.67 99.79,201.18 99.79,202.2 99.78,202.37 99.72,203.73 99.63,204.55 99.59,205.39 99.02,211.12 98.62,213.89 98.55,214.44 98.42,215.77 98.39,216.42 98.47,217.2 98.48,218 99.55,225.07 99.96,227.4 100.37,229.61 100.8,232.45 101.23,235.26 101.5,236.96 101.64,237.67 102.05,241.27 102.18,242.13
  Bottom w0.15: v1(101.16,366.79) 102.17,366.89 102.68,366.94 103.84,367.03 106.39,367.35 107.29,367.39 108.03,367.32 108.71,367.23 110.85,366.83 115.15,366.68 116.33,366.76 119.09,366.86 122.14,366.95 125.73,367.24 127.55,367.8 131.36,367.81 132.94,367.78 134.63,368.05 135.5,368.33 137.12,368.69 140.91,370.44 143.08,371.38 144.13,372.04 145.88,372.67 R11.1 150.99,373.63 152.18,373.63 153.96,373.47 154.63,372.73 155.24,371.57 155.63,370.84 155.66,370.08 UD1.11
DISK0 ACT: length 95.6
  Top w0.15: 92.43,324.25 v1(92.31,324.12) 91.94,322.78 91.15,320.64 90.04,317.43 89.35,315.46 88.43,312.77 87.11,309.08 86.43,307.35 85.52,305.07 83.99,301.83 83.72,301.49 83.29,300.8 80.92,297.38 79.68,296.12 J1.61
  Bottom w0.15: UF1.13 150.14,330.59 149.82,330.06 148.86,329.24 147.89,328.97 144.3,328.92 142.54,328.9 139.66,328.78 135.62,327.98 132.54,327.46 129.69,327.16 124.08,326.89 121.85,326.64 116.94,326.69 116.07,326.95 112.11,327.27 108.15,327.39 107.3,327.37 R73.2 100.01,326.78 v1(99.91,326.68) 99.4,326.68 98.77,326.73 97.51,326.63 97.03,326.57 96.56,326.48 95.5,326.24 94.3,325.46 93.88,325.25 93.42,324.9 92.94,324.55 v1(92.31,324.12)
DISK1: length 274.3
  Top w0.15: 134.47,319.17 133.96,308.88 133.89,307.85 133.73,304.18 133.86,303.81 134.02,303.07 134.23,300.87 133.88,299.21 ; 87.68,249.31 86.32,250.67 86.15,250.96 85.8,251.41 84.51,252.97 84.18,253.34 83.89,253.74 83.53,254.42 82.93,255.46 82.42,256.27 81.97,256.78 81.82,256.89 80.66,257.58 76.02,257.76 J1.85 ; 87.6,249.39 88.87,247.8 89.24,247.46 89.85,246.77 90.23,246.29 91.07,245.33 91.69,244.62 92.08,244.23 93.64,242.68 95.02,241.56 95.51,241.13 v1(96.28,240.73) 96.39,240.85 ; v1(132.44,382.32) 132.75,380.94 133.52,379.11 134.33,376.23 134.7,374.85 134.89,373.11 135.16,371.81 135.27,361.1 135.44,357.43 135.47,342.18 135.07,336.35 135.16,333.69 134.92,330.94 134.79,325.44 134.74,324.56 134.45,318.87 ; 133.88,299.34 133.81,297.9 133.57,295.53 133.88,288.78 134.16,284.47 134.36,280.8 134.81,275.22 135.16,270.59 135.26,268.23 135.63,264.24 135.85,259.59 135.71,254.57 135.6,252.69 135.71,250.73 136.16,249.57 v1(136.92,248.61)
  Top w0.25: UC0.5 122.28,382.1 123.01,383.98 123.93,386.2 123.18,390.2 120.63,394 117.29,396.86 R19.1
  Bottom w0.15: v1(136.92,248.61) 136.32,248.58 135.44,248.36 134.61,248.05 133.78,247.76 132.7,247.43 129.75,247.06 128.93,247.01 126.2,246.9 120.78,246.89 119.68,246.76 119.14,246.51 118.46,246.13 117.22,244.93 115.9,243.75 115.08,243.45 114.43,243.19 111.83,242.93 109.71,242.63 105.98,242.12 103.64,241.76 101.08,241.37 99.12,241.04 96.74,240.66 v1(96.28,240.73) ; 98.53,394.59 92.89,389.33 CR5.1 ; 98.53,394.59 99.13,394.97 99.74,395.38 101.98,397.04 102.72,397.38 105,398.26 106.21,398.52 108.59,399.17 R19.1 ; 98.53,394.59 98.48,393.97 98.56,393.6 R18.1 ; UC0.5 121.23,380.16 121.94,380.74 122.3,380.99 123.82,381.84 126,381.96 126.55,382.01 127.91,382.1 131.43,382.36 v1(132.44,382.32)
